# Altium PCB PCB2.PcbDoc (part 6 of 9) (continued)
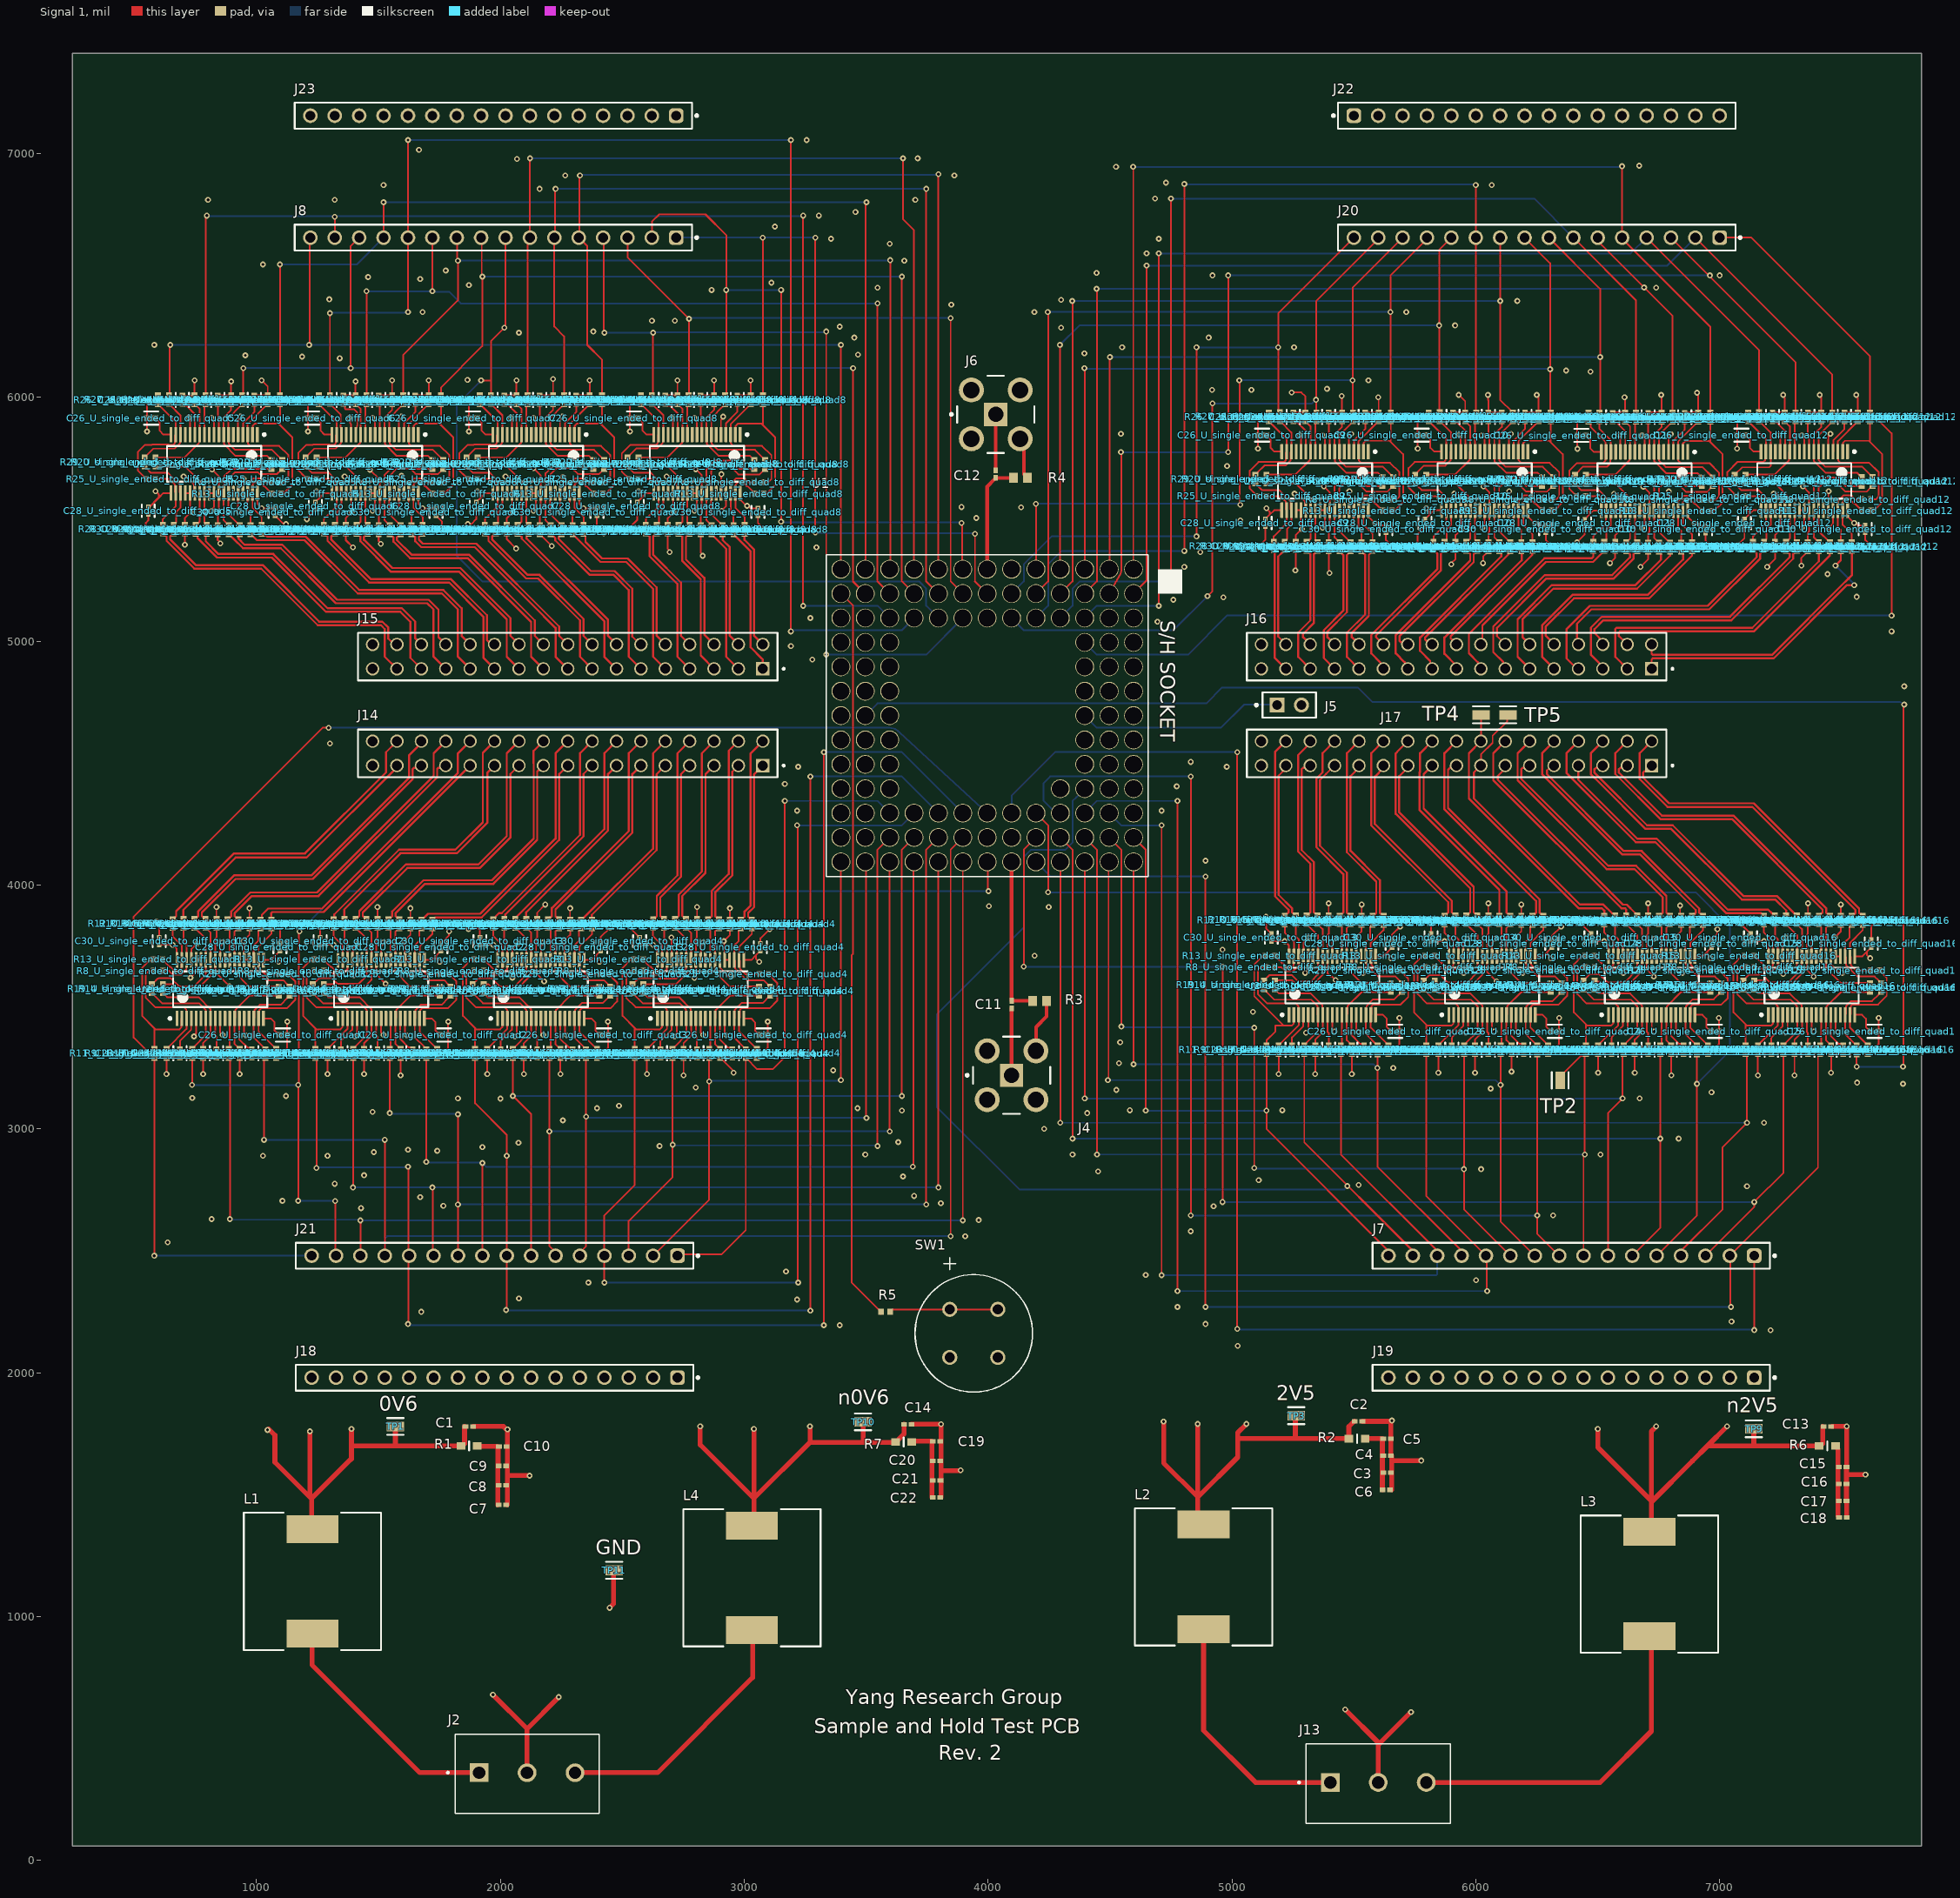
[diagram p0: Signal 1 view]
## Nets (pads, with @x,y where several pads share a name; then routed paths per layer and width w, separated by ;. In a path a pad name is that pad's centre, name@x,y a point inside that pad or via, vN(x,y) a via of type N, cw(c..) or ccw(c..) an arc to the next point about the centre after c; other vN are vias at no path point) (continued)
  Signal 1 w20: v1(6500,1770) 6500,1694.65 6720,1474.65 6720,1356.13 L3.2@6712,1348.13 ; 6720,1470 6888.47,1638.47 6950,1700 ; 6720,1484.49 6720,1760 v1(6740,1780) ; v1(7030,1780) 6950,1700 ; TP9.1@7140,1770 7140,1700 ; C13.2@7422.2,1780 7422.2,1708.66 7413.54,1700 7140,1700 ; 6950,1700 7140,1700
  other v1: 6896.68,5483.9 5586.68,5485 6241.68,5485 7551.68,5485 3011.68,5555
N12: R5.1 U1.N12 | length 3026.9
  Signal 1 w7: U1.N12@3396.68,5195 3446.68,5145 3446.68,3718.12 3441.5,3712.94 3441.5,2369.6 3552.4,2258.7 3553.58,2258.7 3561.1,2251.18 R5.1@3561.1,2241.19
N13: J8.16 R27_U_single_ended_to_diff_quad5.1 U1.N13 | length 4319.3
  Signal 1 w7: R27_U_single_ended_to_diff_quad5.1@641.68,6009.85 644.18,6012.35 644.18,6212.5 v1(646.68,6215) ; v1(1216.68,6215) 1219.18,6217.5 1219.18,6652.5 J8.16@1221.68,6655 ; U1.N13@3396.68,5295 v1(3396.68,6215)
  Signal 2 w7: v1(646.68,6215) v1(3396.68,6215)
NetC3_2: C3.2 C4.2 C5.2 C6.2 R2.1 | length 282.9
  Signal 1 w20: R2.1@5544.31,1729.99 5616.74,1729.99 5616.75,1660 5616.75,1590 5616.75,1521.1 C6.2@5617.85,1520
NetC7_2: C7.2 C8.2 C9.2 C10.2 R1.1 | length 326.5
  Signal 1 w20: R1.1@1905.91,1700 1907.91,1698 1991.1,1698 1991.1,1619.1 1990,1618 C7.2@1990,1458
NetC11_1: C11.1 J4.1 | length 274.6
  Signal 1 w14.78: J4.1@4096.68,3220 C11.1@4096.68,3494.65
NetC12_1: C12.1 J6.1 | length 229.6
  Signal 1 w14.78: C12.1@4031.68,5700.35 4031.68,5831.61 J6.1@4031.68,5930
NetC15_2: C15.2 C16.2 C17.2 C18.2 R6.1 | length 294
  Signal 1 w20: R6.1@7475.5,1695.14 7485.46,1685.18 7485.46,1614 7485.46,1411 C18.2@7489.48,1406.97
NetC19_2: C19.2 C20.2 C21.2 C22.2 R7.1 | length 304.6
  Signal 1 w20: R7.1@3694.81,1719 3769.46,1719 3769.46,1639 3769.46,1559 C22.2@3769.46,1489
NetC23_U_single_ended_to_diff_quad1_1: C23_U_single_ended_to_diff_quad1.1 U2_U_single_ended_to_diff_quad1.4 | length 145.3
  Signal 1 w7: C23_U_single_ended_to_diff_quad1.1@686.68,3326.87 686.68,3360.09 732.79,3406.2 732.79,3451.94 U2_U_single_ended_to_diff_quad1.4@733.57,3452.72
NetC23_U_single_ended_to_diff_quad2_1: C23_U_single_ended_to_diff_quad2.1 U2_U_single_ended_to_diff_quad2.4 | length 145.3
  Signal 1 w7: C23_U_single_ended_to_diff_quad2.1@1346.68,3326.87 1346.68,3360.09 1392.79,3406.2 1392.79,3451.94 U2_U_single_ended_to_diff_quad2.4@1393.57,3452.72
NetC23_U_single_ended_to_diff_quad3_1: C23_U_single_ended_to_diff_quad3.1 U2_U_single_ended_to_diff_quad3.4 | length 145.3
  Signal 1 w7: C23_U_single_ended_to_diff_quad3.1@2001.68,3326.87 2001.68,3360.09 2047.79,3406.2 2047.79,3451.94 U2_U_single_ended_to_diff_quad3.4@2048.57,3452.72
NetC23_U_single_ended_to_diff_quad4_1: C23_U_single_ended_to_diff_quad4.1 U2_U_single_ended_to_diff_quad4.4 | length 145.3
  Signal 1 w7: C23_U_single_ended_to_diff_quad4.1@2656.68,3326.87 2656.68,3360.09 2702.79,3406.2 2702.79,3451.94 U2_U_single_ended_to_diff_quad4.4@2703.57,3452.72
NetC23_U_single_ended_to_diff_quad5_1: C23_U_single_ended_to_diff_quad5.1 U2_U_single_ended_to_diff_quad5.4 | length 145.3
  Signal 1 w7: U2_U_single_ended_to_diff_quad5.4@944.79,5847.28 945.57,5848.06 945.57,5893.8 991.68,5939.91 C23_U_single_ended_to_diff_quad5.1@991.68,5973.13
NetC23_U_single_ended_to_diff_quad6_1: C23_U_single_ended_to_diff_quad6.1 U2_U_single_ended_to_diff_quad6.4 | length 145.3
  Signal 1 w7: U2_U_single_ended_to_diff_quad6.4@1604.79,5847.28 1605.57,5848.06 1605.57,5893.8 1651.68,5939.91 C23_U_single_ended_to_diff_quad6.1@1651.68,5973.13
NetC23_U_single_ended_to_diff_quad7_1: C23_U_single_ended_to_diff_quad7.1 U2_U_single_ended_to_diff_quad7.4 | length 145.3
  Signal 1 w7: U2_U_single_ended_to_diff_quad7.4@2264.79,5847.28 2265.57,5848.06 2265.57,5893.8 2311.68,5939.91 C23_U_single_ended_to_diff_quad7.1@2311.68,5973.13
NetC23_U_single_ended_to_diff_quad8_1: C23_U_single_ended_to_diff_quad8.1 U2_U_single_ended_to_diff_quad8.4 | length 145.3
  Signal 1 w7: U2_U_single_ended_to_diff_quad8.4@2924.79,5847.28 2925.57,5848.06 2925.57,5893.8 2971.68,5939.91 C23_U_single_ended_to_diff_quad8.1@2971.68,5973.13
NetC23_U_single_ended_to_diff_quad9_1: C23_U_single_ended_to_diff_quad9.1 U2_U_single_ended_to_diff_quad9.4 | length 145.3
  Signal 1 w7: U2_U_single_ended_to_diff_quad9.4@5499.79,5777.28 5500.57,5778.06 5500.57,5823.8 5546.68,5869.91 C23_U_single_ended_to_diff_quad9.1@5546.68,5903.13
NetC23_U_single_ended_to_diff_quad10_1: C23_U_single_ended_to_diff_quad10.1 U2_U_single_ended_to_diff_quad10.4 | length 145.3
  Signal 1 w7: U2_U_single_ended_to_diff_quad10.4@6154.79,5777.28 6155.57,5778.06 6155.57,5823.8 6201.68,5869.91 C23_U_single_ended_to_diff_quad10.1@6201.68,5903.13
NetC23_U_single_ended_to_diff_quad11_1: C23_U_single_ended_to_diff_quad11.1 U2_U_single_ended_to_diff_quad11.4 | length 145.3
  Signal 1 w7: U2_U_single_ended_to_diff_quad11.4@6809.79,5776.18 6810.57,5776.96 6810.57,5822.7 6856.68,5868.81 C23_U_single_ended_to_diff_quad11.1@6856.68,5902.03
NetC23_U_single_ended_to_diff_quad12_1: C23_U_single_ended_to_diff_quad12.1 U2_U_single_ended_to_diff_quad12.4 | length 145.3
  Signal 1 w7: U2_U_single_ended_to_diff_quad12.4@7464.79,5777.28 7465.57,5778.06 7465.57,5823.8 7511.68,5869.91 C23_U_single_ended_to_diff_quad12.1@7511.68,5903.13
NetC23_U_single_ended_to_diff_quad13_1: C23_U_single_ended_to_diff_quad13.1 U2_U_single_ended_to_diff_quad13.4 | length 145.3
  Signal 1 w7: C23_U_single_ended_to_diff_quad13.1@5246.68,3341.87 5246.68,3375.09 5292.79,3421.2 5292.79,3466.94 U2_U_single_ended_to_diff_quad13.4@5293.57,3467.72
NetC23_U_single_ended_to_diff_quad14_1: C23_U_single_ended_to_diff_quad14.1 U2_U_single_ended_to_diff_quad14.4 | length 145.3
  Signal 1 w7: C23_U_single_ended_to_diff_quad14.1@5901.68,3341.87 5901.68,3375.09 5947.79,3421.2 5947.79,3466.94 U2_U_single_ended_to_diff_quad14.4@5948.57,3467.72
NetC23_U_single_ended_to_diff_quad15_1: C23_U_single_ended_to_diff_quad15.1 U2_U_single_ended_to_diff_quad15.4 | length 145.3
  Signal 1 w7: C23_U_single_ended_to_diff_quad15.1@6556.68,3341.87 6556.68,3375.09 6602.79,3421.2 6602.79,3466.94 U2_U_single_ended_to_diff_quad15.4@6603.57,3467.72
NetC23_U_single_ended_to_diff_quad16_1: C23_U_single_ended_to_diff_quad16.1 U2_U_single_ended_to_diff_quad16.4 | length 145.3
  Signal 1 w7: C23_U_single_ended_to_diff_quad16.1@7211.68,3341.87 7211.68,3375.09 7257.79,3421.2 7257.79,3466.94 U2_U_single_ended_to_diff_quad16.4@7258.57,3467.72
NetC24_U_single_ended_to_diff_quad1_1: C24_U_single_ended_to_diff_quad1.1 U2_U_single_ended_to_diff_quad1.9 | length 127.8
  Signal 1 w7: U2_U_single_ended_to_diff_quad1.9@832,3452.72 832,3382.84 836.68,3378.15 C24_U_single_ended_to_diff_quad1.1@836.68,3326.87
NetC24_U_single_ended_to_diff_quad2_1: C24_U_single_ended_to_diff_quad2.1 U2_U_single_ended_to_diff_quad2.9 | length 127.8
  Signal 1 w7: U2_U_single_ended_to_diff_quad2.9@1492,3452.72 1492,3382.84 1496.68,3378.15 C24_U_single_ended_to_diff_quad2.1@1496.68,3326.87
NetC24_U_single_ended_to_diff_quad3_1: C24_U_single_ended_to_diff_quad3.1 U2_U_single_ended_to_diff_quad3.9 | length 127.8
  Signal 1 w7: U2_U_single_ended_to_diff_quad3.9@2147,3452.72 2147,3382.84 2151.68,3378.15 C24_U_single_ended_to_diff_quad3.1@2151.68,3326.87
NetC24_U_single_ended_to_diff_quad4_1: C24_U_single_ended_to_diff_quad4.1 U2_U_single_ended_to_diff_quad4.9 | length 127.8
  Signal 1 w7: U2_U_single_ended_to_diff_quad4.9@2802,3452.72 2802,3382.84 2806.68,3378.15 C24_U_single_ended_to_diff_quad4.1@2806.68,3326.87
NetC24_U_single_ended_to_diff_quad5_1: C24_U_single_ended_to_diff_quad5.1 U2_U_single_ended_to_diff_quad5.9 | length 127.8
  Signal 1 w7: C24_U_single_ended_to_diff_quad5.1@841.68,5973.13 841.68,5921.85 846.37,5917.16 U2_U_single_ended_to_diff_quad5.9@846.37,5847.28
NetC24_U_single_ended_to_diff_quad6_1: C24_U_single_ended_to_diff_quad6.1 U2_U_single_ended_to_diff_quad6.9 | length 127.8
  Signal 1 w7: C24_U_single_ended_to_diff_quad6.1@1501.68,5973.13 1506.37,5968.44 U2_U_single_ended_to_diff_quad6.9@1506.37,5847.28
NetC24_U_single_ended_to_diff_quad7_1: C24_U_single_ended_to_diff_quad7.1 U2_U_single_ended_to_diff_quad7.9 | length 127.8
  Signal 1 w7: C24_U_single_ended_to_diff_quad7.1@2161.68,5973.13 2161.68,5921.85 2166.37,5917.16 U2_U_single_ended_to_diff_quad7.9@2166.37,5847.28
NetC24_U_single_ended_to_diff_quad8_1: C24_U_single_ended_to_diff_quad8.1 U2_U_single_ended_to_diff_quad8.9 | length 127.8
  Signal 1 w7: C24_U_single_ended_to_diff_quad8.1@2821.68,5973.13 2821.68,5921.85 2826.37,5917.16 U2_U_single_ended_to_diff_quad8.9@2826.37,5847.28
NetC24_U_single_ended_to_diff_quad9_1: C24_U_single_ended_to_diff_quad9.1 U2_U_single_ended_to_diff_quad9.9 | length 127.8
  Signal 1 w7: C24_U_single_ended_to_diff_quad9.1@5396.68,5903.13 5396.68,5851.85 5401.37,5847.16 U2_U_single_ended_to_diff_quad9.9@5401.37,5777.28
NetC24_U_single_ended_to_diff_quad10_1: C24_U_single_ended_to_diff_quad10.1 U2_U_single_ended_to_diff_quad10.9 | length 127.8
  Signal 1 w7: C24_U_single_ended_to_diff_quad10.1@6051.68,5903.13 6051.68,5851.85 6056.37,5847.16 U2_U_single_ended_to_diff_quad10.9@6056.37,5777.28
NetC24_U_single_ended_to_diff_quad11_1: C24_U_single_ended_to_diff_quad11.1 U2_U_single_ended_to_diff_quad11.9 | length 127.8
  Signal 1 w7: C24_U_single_ended_to_diff_quad11.1@6706.68,5902.03 6706.68,5850.75 6711.37,5846.06 U2_U_single_ended_to_diff_quad11.9@6711.37,5776.18
NetC24_U_single_ended_to_diff_quad12_1: C24_U_single_ended_to_diff_quad12.1 U2_U_single_ended_to_diff_quad12.9 | length 127.8
  Signal 1 w7: C24_U_single_ended_to_diff_quad12.1@7361.68,5903.13 7361.68,5851.85 7366.37,5847.16 U2_U_single_ended_to_diff_quad12.9@7366.37,5777.28
NetC24_U_single_ended_to_diff_quad13_1: C24_U_single_ended_to_diff_quad13.1 U2_U_single_ended_to_diff_quad13.9 | length 127.8
  Signal 1 w7: U2_U_single_ended_to_diff_quad13.9@5392,3467.72 5392,3397.84 5396.68,3393.15 C24_U_single_ended_to_diff_quad13.1@5396.68,3341.87
NetC24_U_single_ended_to_diff_quad14_1: C24_U_single_ended_to_diff_quad14.1 U2_U_single_ended_to_diff_quad14.9 | length 127.8
  Signal 1 w7: U2_U_single_ended_to_diff_quad14.9@6047,3467.72 6047,3397.84 6051.68,3393.15 C24_U_single_ended_to_diff_quad14.1@6051.68,3341.87
NetC24_U_single_ended_to_diff_quad15_1: C24_U_single_ended_to_diff_quad15.1 U2_U_single_ended_to_diff_quad15.9 | length 127.8
  Signal 1 w7: U2_U_single_ended_to_diff_quad15.9@6702,3467.72 6702,3397.84 6706.68,3393.15 C24_U_single_ended_to_diff_quad15.1@6706.68,3341.87
NetC24_U_single_ended_to_diff_quad16_1: C24_U_single_ended_to_diff_quad16.1 U2_U_single_ended_to_diff_quad16.9 | length 127.8
  Signal 1 w7: U2_U_single_ended_to_diff_quad16.9@7357,3467.72 7357,3397.84 7361.68,3393.15 C24_U_single_ended_to_diff_quad16.1@7361.68,3341.87
NetC25_U_single_ended_to_diff_quad1_1: C25_U_single_ended_to_diff_quad1.1 U2_U_single_ended_to_diff_quad1.14 | length 154
  Signal 1 w7: U2_U_single_ended_to_diff_quad1.14@930.42,3452.72 930.42,3366.58 947.58,3349.42 947.82,3349.42 953.39,3343.86 953.39,3343.61 964.01,3332.99 975.57,3332.99 C25_U_single_ended_to_diff_quad1.1@981.68,3326.87
NetC25_U_single_ended_to_diff_quad2_1: C25_U_single_ended_to_diff_quad2.1 U2_U_single_ended_to_diff_quad2.14 | length 152.7
  Signal 1 w7: U2_U_single_ended_to_diff_quad2.14@1590.42,3452.72 1590.42,3368.58 1624.79,3334.21 1634.34,3334.21 C25_U_single_ended_to_diff_quad2.1@1641.68,3326.87
NetC25_U_single_ended_to_diff_quad3_1: C25_U_single_ended_to_diff_quad3.1 U2_U_single_ended_to_diff_quad3.14 | length 152.1
  Signal 1 w7: U2_U_single_ended_to_diff_quad3.14@2245.42,3452.72 2245.42,3369.58 2280.29,3334.71 2288.91,3334.71 C25_U_single_ended_to_diff_quad3.1@2296.68,3326.87 C25_U_single_ended_to_diff_quad3.1@2296.68,3326.87
NetC25_U_single_ended_to_diff_quad4_1: C25_U_single_ended_to_diff_quad4.1 U2_U_single_ended_to_diff_quad4.14 | length 153.3
  Signal 1 w7: U2_U_single_ended_to_diff_quad4.14@2900.42,3452.72 2900.42,3367.58 2934.29,3333.71 2944.84,3333.71 C25_U_single_ended_to_diff_quad4.1@2951.68,3326.87
NetC25_U_single_ended_to_diff_quad5_1: C25_U_single_ended_to_diff_quad5.1 U2_U_single_ended_to_diff_quad5.14 | length 152.5
  Signal 1 w7: C25_U_single_ended_to_diff_quad5.1@696.68,5973.13 704.2,5965.61 713.39,5965.61 747.94,5931.06 U2_U_single_ended_to_diff_quad5.14@747.94,5847.28
NetC25_U_single_ended_to_diff_quad6_1: C25_U_single_ended_to_diff_quad6.1 U2_U_single_ended_to_diff_quad6.14 | length 172.5
  Signal 1 w7: C25_U_single_ended_to_diff_quad6.1@1356.68,5973.13 1362.47,5967.34 1362.47,5954.68 1366.57,5950.58 1401.42,5950.58 1414,5938 1414,5883.35 1412.22,5881.57 1412.22,5877.15 1407.94,5872.87 U2_U_single_ended_to_diff_quad6.14@1407.94,5847.28
NetC25_U_single_ended_to_diff_quad7_1: C25_U_single_ended_to_diff_quad7.1 U2_U_single_ended_to_diff_quad7.14 | length 153.7
  Signal 1 w7: C25_U_single_ended_to_diff_quad7.1@2016.68,5973.13 2023.04,5966.77 2034.35,5966.77 2067.94,5933.18 U2_U_single_ended_to_diff_quad7.14@2067.94,5847.28
NetC25_U_single_ended_to_diff_quad8_1: C25_U_single_ended_to_diff_quad8.1 U2_U_single_ended_to_diff_quad8.14 | length 153.7
  Signal 1 w7: C25_U_single_ended_to_diff_quad8.1@2676.68,5973.13 2683.81,5966 2695.12,5966 2727.94,5933.18 U2_U_single_ended_to_diff_quad8.14@2727.94,5847.28
NetC25_U_single_ended_to_diff_quad9_1: C25_U_single_ended_to_diff_quad9.1 U2_U_single_ended_to_diff_quad9.14 | length 153
  Signal 1 w7: C25_U_single_ended_to_diff_quad9.1@5251.68,5903.13 5258.7,5896.11 5268.89,5896.11 5302.94,5862.06 U2_U_single_ended_to_diff_quad9.14@5302.94,5777.28
NetC25_U_single_ended_to_diff_quad10_1: C25_U_single_ended_to_diff_quad10.1 U2_U_single_ended_to_diff_quad10.14 | length 153
  Signal 1 w7: C25_U_single_ended_to_diff_quad10.1@5906.68,5903.13 5914.2,5895.61 5924.39,5895.61 5957.94,5862.06 U2_U_single_ended_to_diff_quad10.14@5957.94,5777.28
NetC25_U_single_ended_to_diff_quad11_1: C25_U_single_ended_to_diff_quad11.1 U2_U_single_ended_to_diff_quad11.14 | length 153.1
  Signal 1 w7: C25_U_single_ended_to_diff_quad11.1@6561.68,5902.03 6568.65,5895.06 6578.94,5895.06 6612.94,5861.06 U2_U_single_ended_to_diff_quad11.14@6612.94,5776.18
NetC25_U_single_ended_to_diff_quad12_1: C25_U_single_ended_to_diff_quad12.1 U2_U_single_ended_to_diff_quad12.14 | length 153.6
  Signal 1 w7: C25_U_single_ended_to_diff_quad12.1@7216.68,5903.13 7223.16,5896.65 7234.35,5896.65 7267.94,5863.06 U2_U_single_ended_to_diff_quad12.14@7267.94,5777.28
NetC25_U_single_ended_to_diff_quad13_1: C25_U_single_ended_to_diff_quad13.1 U2_U_single_ended_to_diff_quad13.14 | length 152.1
  Signal 1 w7: U2_U_single_ended_to_diff_quad13.14@5490.42,3467.72 5490.42,3384.58 5525.29,3349.71 5533.91,3349.71 C25_U_single_ended_to_diff_quad13.1@5541.68,3341.87 C25_U_single_ended_to_diff_quad13.1@5541.68,3341.87
NetC25_U_single_ended_to_diff_quad14_1: C25_U_single_ended_to_diff_quad14.1 U2_U_single_ended_to_diff_quad14.14 | length 153.3
  Signal 1 w7: U2_U_single_ended_to_diff_quad14.14@6145.42,3467.72 6145.42,3382.58 6179.29,3348.71 6189.84,3348.71 C25_U_single_ended_to_diff_quad14.1@6196.68,3341.87
NetC25_U_single_ended_to_diff_quad15_1: C25_U_single_ended_to_diff_quad15.1 U2_U_single_ended_to_diff_quad15.14 | length 153.3
  Signal 1 w7: U2_U_single_ended_to_diff_quad15.14@6800.42,3467.72 6800.42,3382.58 6834.29,3348.71 6844.84,3348.71 C25_U_single_ended_to_diff_quad15.1@6851.68,3341.87
NetC25_U_single_ended_to_diff_quad16_1: C25_U_single_ended_to_diff_quad16.1 U2_U_single_ended_to_diff_quad16.14 | length 153.3
  Signal 1 w7: U2_U_single_ended_to_diff_quad16.14@7455.42,3467.72 7455.42,3382.58 7489.29,3348.71 7499.84,3348.71 C25_U_single_ended_to_diff_quad16.1@7506.68,3341.87
NetC26_U_single_ended_to_diff_quad1_1: C26_U_single_ended_to_diff_quad1.1 U2_U_single_ended_to_diff_quad1.19 | length 112.4
  Signal 1 w7: U2_U_single_ended_to_diff_quad1.19@1028.85,3452.72 1058.97,3452.72 1074.81,3436.87 1074.81,3403.13 1083.82,3394.11 1083.82,3393.27 1092.09,3385 C26_U_single_ended_to_diff_quad1.1@1092.94,3385
NetC26_U_single_ended_to_diff_quad2_1: C26_U_single_ended_to_diff_quad2.1 U2_U_single_ended_to_diff_quad2.19 | length 112.4
  Signal 1 w7: U2_U_single_ended_to_diff_quad2.19@1688.85,3452.72 1718.97,3452.72 1734.81,3436.87 1734.81,3403.13 1743.82,3394.11 1743.82,3393.27 1752.09,3385 C26_U_single_ended_to_diff_quad2.1@1752.94,3385
NetC26_U_single_ended_to_diff_quad3_1: C26_U_single_ended_to_diff_quad3.1 U2_U_single_ended_to_diff_quad3.19 | length 112.4
  Signal 1 w7: U2_U_single_ended_to_diff_quad3.19@2343.85,3452.72 2373.97,3452.72 2389.81,3436.87 2389.81,3403.13 2398.82,3394.11 2398.82,3393.27 2407.09,3385 C26_U_single_ended_to_diff_quad3.1@2407.94,3385
NetC26_U_single_ended_to_diff_quad4_1: C26_U_single_ended_to_diff_quad4.1 U2_U_single_ended_to_diff_quad4.19 | length 112.4
  Signal 1 w7: U2_U_single_ended_to_diff_quad4.19@2998.85,3452.72 3028.97,3452.72 3044.81,3436.87 3044.81,3403.13 3053.82,3394.11 3053.82,3393.27 3062.09,3385 C26_U_single_ended_to_diff_quad4.1@3062.94,3385
NetC26_U_single_ended_to_diff_quad5_1: C26_U_single_ended_to_diff_quad5.1 U2_U_single_ended_to_diff_quad5.19 | length 112.4
  Signal 1 w7: C26_U_single_ended_to_diff_quad5.1@585.43,5915 586.27,5915 594.54,5906.73 594.54,5905.89 603.56,5896.87 603.56,5863.13 619.4,5847.28 U2_U_single_ended_to_diff_quad5.19@649.52,5847.28
NetC26_U_single_ended_to_diff_quad6_1: C26_U_single_ended_to_diff_quad6.1 U2_U_single_ended_to_diff_quad6.19 | length 112.4
  Signal 1 w7: C26_U_single_ended_to_diff_quad6.1@1245.43,5915 1246.27,5915 1254.54,5906.73 1254.54,5905.89 1263.56,5896.87 1263.56,5863.13 1279.4,5847.28 U2_U_single_ended_to_diff_quad6.19@1309.52,5847.28
NetC26_U_single_ended_to_diff_quad7_1: C26_U_single_ended_to_diff_quad7.1 U2_U_single_ended_to_diff_quad7.19 | length 112.4
  Signal 1 w7: C26_U_single_ended_to_diff_quad7.1@1905.43,5915 1906.27,5915 1914.54,5906.73 1914.54,5905.89 1923.56,5896.87 1923.56,5863.13 1939.4,5847.28 U2_U_single_ended_to_diff_quad7.19@1969.52,5847.28
NetC26_U_single_ended_to_diff_quad8_1: C26_U_single_ended_to_diff_quad8.1 U2_U_single_ended_to_diff_quad8.19 | length 112.4
  Signal 1 w7: C26_U_single_ended_to_diff_quad8.1@2565.43,5915 2566.27,5915 2574.54,5906.73 2574.54,5905.89 2583.56,5896.87 2583.56,5863.13 2599.4,5847.28 U2_U_single_ended_to_diff_quad8.19@2629.52,5847.28
NetC26_U_single_ended_to_diff_quad9_1: C26_U_single_ended_to_diff_quad9.1 U2_U_single_ended_to_diff_quad9.19 | length 112.4
  Signal 1 w7: C26_U_single_ended_to_diff_quad9.1@5140.43,5845 5141.27,5845 5149.54,5836.73 5149.54,5835.89 5158.56,5826.87 5158.56,5793.13 5174.4,5777.28 U2_U_single_ended_to_diff_quad9.19@5204.52,5777.28
NetC26_U_single_ended_to_diff_quad10_1: C26_U_single_ended_to_diff_quad10.1 U2_U_single_ended_to_diff_quad10.19 | length 112.4
  Signal 1 w7: C26_U_single_ended_to_diff_quad10.1@5795.43,5845 5796.27,5845 5804.54,5836.73 5804.54,5835.89 5813.56,5826.87 5813.56,5793.13 5829.4,5777.28 U2_U_single_ended_to_diff_quad10.19@5859.52,5777.28
NetC26_U_single_ended_to_diff_quad11_1: C26_U_single_ended_to_diff_quad11.1 U2_U_single_ended_to_diff_quad11.19 | length 112.4
  Signal 1 w7: C26_U_single_ended_to_diff_quad11.1@6450.43,5843.9 6451.27,5843.9 6459.54,5835.63 6459.54,5834.78 6468.56,5825.77 6468.56,5792.03 6484.4,5776.18 U2_U_single_ended_to_diff_quad11.19@6514.52,5776.18
NetC26_U_single_ended_to_diff_quad12_1: C26_U_single_ended_to_diff_quad12.1 U2_U_single_ended_to_diff_quad12.19 | length 112.4
  Signal 1 w7: C26_U_single_ended_to_diff_quad12.1@7105.43,5845 7106.27,5845 7114.54,5836.73 7114.54,5835.89 7123.56,5826.87 7123.56,5793.13 7139.4,5777.28 U2_U_single_ended_to_diff_quad12.19@7169.52,5777.28
NetC26_U_single_ended_to_diff_quad13_1: C26_U_single_ended_to_diff_quad13.1 U2_U_single_ended_to_diff_quad13.19 | length 112.4
  Signal 1 w7: U2_U_single_ended_to_diff_quad13.19@5588.85,3467.72 5618.97,3467.72 5634.81,3451.87 5634.81,3418.13 5643.82,3409.11 5643.82,3408.27 5652.09,3400 C26_U_single_ended_to_diff_quad13.1@5652.94,3400
NetC26_U_single_ended_to_diff_quad14_1: C26_U_single_ended_to_diff_quad14.1 U2_U_single_ended_to_diff_quad14.19 | length 112.4
  Signal 1 w7: U2_U_single_ended_to_diff_quad14.19@6243.85,3467.72 6273.97,3467.72 6289.81,3451.87 6289.81,3418.13 6298.82,3409.11 6298.82,3408.27 6307.09,3400 C26_U_single_ended_to_diff_quad14.1@6307.94,3400
NetC26_U_single_ended_to_diff_quad15_1: C26_U_single_ended_to_diff_quad15.1 U2_U_single_ended_to_diff_quad15.19 | length 112.4
  Signal 1 w7: U2_U_single_ended_to_diff_quad15.19@6898.85,3467.72 6928.97,3467.72 6944.81,3451.87 6944.81,3418.13 6953.82,3409.11 6953.82,3408.27 6962.09,3400 C26_U_single_ended_to_diff_quad15.1@6962.94,3400
NetC26_U_single_ended_to_diff_quad16_1: C26_U_single_ended_to_diff_quad16.1 U2_U_single_ended_to_diff_quad16.19 | length 112.4
  Signal 1 w7: U2_U_single_ended_to_diff_quad16.19@7553.85,3467.72 7583.97,3467.72 7599.81,3451.87 7599.81,3418.13 7608.82,3409.11 7608.82,3408.27 7617.09,3400 C26_U_single_ended_to_diff_quad16.1@7617.94,3400
NetJ5_1: J5.1 U1.C7 | length 849.2
  Signal 2 w7: U1.C7@4396.68,4695 4446.68,4645 4955,4645 5050,4740 5183,4740 J5.1@5185,4738
NetR5_2: R5.2 SW1.1 SW1.2 | length 445.9
  Signal 1 w7: R5.2@3598.9,2250 3598.9,2251.18 3606.42,2258.7 3841.85,2258.7 SW1.1@3843.15,2260 SW1.2@4040,2260
NetR8_U_single_ended_to_diff_quad1_1: R8_U_single_ended_to_diff_quad1.1 R9_U_single_ended_to_diff_quad1.2 U2_U_single_ended_to_diff_quad1.3 | length 517.5
  Signal 1 w7: R8_U_single_ended_to_diff_quad1.1@578.89,3648.23 558.86,3648.23 546.48,3635.84 546.48,3537.49 584.97,3499 702.56,3499 713.11,3488.46 713.11,3453.5 U2_U_single_ended_to_diff_quad1.3@713.89,3452.72 713.89,3409.92 632.86,3328.9 R9_U_single_ended_to_diff_quad1.2@631.68,3328.9
NetR8_U_single_ended_to_diff_quad1_2: R8_U_single_ended_to_diff_quad1.2 R10_U_single_ended_to_diff_quad1.2 U2_U_single_ended_to_diff_quad1.36 | length 287.1
  Signal 1 w7: R8_U_single_ended_to_diff_quad1.2@616.68,3648.23 641.89,3648.23 657.74,3632.38 691.29,3632.38 713.11,3654.19 713.11,3664.38 713.89,3665.16 713.89,3762.52 701.68,3774.72 R10_U_single_ended_to_diff_quad1.2@701.68,3823.9
NetR8_U_single_ended_to_diff_quad2_1: R8_U_single_ended_to_diff_quad2.1 R9_U_single_ended_to_diff_quad2.2 U2_U_single_ended_to_diff_quad2.3 | length 517.5
  Signal 1 w7: R8_U_single_ended_to_diff_quad2.1@1238.89,3648.23 1218.86,3648.23 1206.48,3635.84 1206.48,3537.49 1244.97,3499 1362.56,3499 1373.11,3488.46 1373.11,3453.5 U2_U_single_ended_to_diff_quad2.3@1373.89,3452.72 1373.89,3409.92 1292.86,3328.9 R9_U_single_ended_to_diff_quad2.2@1291.68,3328.9
NetR8_U_single_ended_to_diff_quad2_2: R8_U_single_ended_to_diff_quad2.2 R10_U_single_ended_to_diff_quad2.2 U2_U_single_ended_to_diff_quad2.36 | length 287.1
  Signal 1 w7: R8_U_single_ended_to_diff_quad2.2@1276.68,3648.23 1301.89,3648.23 1317.74,3632.38 1351.29,3632.38 1373.11,3654.19 1373.11,3664.38 1373.89,3665.16 1373.89,3762.52 1361.68,3774.72 R10_U_single_ended_to_diff_quad2.2@1361.68,3823.9
NetR8_U_single_ended_to_diff_quad3_1: R8_U_single_ended_to_diff_quad3.1 R9_U_single_ended_to_diff_quad3.2 U2_U_single_ended_to_diff_quad3.3 | length 517.5
  Signal 1 w7: R8_U_single_ended_to_diff_quad3.1@1893.89,3648.23 1873.86,3648.23 1861.48,3635.84 1861.48,3537.49 1899.97,3499 2017.56,3499 2028.11,3488.46 2028.11,3453.5 U2_U_single_ended_to_diff_quad3.3@2028.89,3452.72 2028.89,3409.92 1947.86,3328.9 R9_U_single_ended_to_diff_quad3.2@1946.68,3328.9
NetR8_U_single_ended_to_diff_quad3_2: R8_U_single_ended_to_diff_quad3.2 R10_U_single_ended_to_diff_quad3.2 U2_U_single_ended_to_diff_quad3.36 | length 287.1
  Signal 1 w7: R8_U_single_ended_to_diff_quad3.2@1931.68,3648.23 1956.89,3648.23 1972.74,3632.38 2006.29,3632.38 2028.11,3654.19 2028.11,3664.38 2028.89,3665.16 2028.89,3762.52 2016.68,3774.72 R10_U_single_ended_to_diff_quad3.2@2016.68,3823.9
NetR8_U_single_ended_to_diff_quad4_1: R8_U_single_ended_to_diff_quad4.1 R9_U_single_ended_to_diff_quad4.2 U2_U_single_ended_to_diff_quad4.3 | length 517.5
  Signal 1 w7: R8_U_single_ended_to_diff_quad4.1@2548.89,3648.23 2528.86,3648.23 2516.48,3635.84 2516.48,3537.49 2554.97,3499 2672.56,3499 2683.11,3488.46 2683.11,3453.5 U2_U_single_ended_to_diff_quad4.3@2683.89,3452.72 2683.89,3409.92 2602.86,3328.9 R9_U_single_ended_to_diff_quad4.2@2601.68,3328.9
NetR8_U_single_ended_to_diff_quad4_2: R8_U_single_ended_to_diff_quad4.2 R10_U_single_ended_to_diff_quad4.2 U2_U_single_ended_to_diff_quad4.36 | length 287.1
  Signal 1 w7: R8_U_single_ended_to_diff_quad4.2@2586.68,3648.23 2611.89,3648.23 2627.74,3632.38 2661.29,3632.38 2683.11,3654.19 2683.11,3664.38 2683.89,3665.16 2683.89,3762.52 2671.68,3774.72 R10_U_single_ended_to_diff_quad4.2@2671.68,3823.9
NetR8_U_single_ended_to_diff_quad5_1: R8_U_single_ended_to_diff_quad5.1 R9_U_single_ended_to_diff_quad5.2 U2_U_single_ended_to_diff_quad5.3 | length 517.5
  Signal 1 w7: R9_U_single_ended_to_diff_quad5.2@1046.68,5971.1 1045.5,5971.1 964.48,5890.08 U2_U_single_ended_to_diff_quad5.3@964.48,5847.28 965.26,5846.5 965.26,5811.54 975.8,5801 1093.4,5801 1131.89,5762.51 1131.89,5664.16 1119.5,5651.77 R8_U_single_ended_to_diff_quad5.1@1099.48,5651.77
NetR8_U_single_ended_to_diff_quad5_2: R8_U_single_ended_to_diff_quad5.2 R10_U_single_ended_to_diff_quad5.2 U2_U_single_ended_to_diff_quad5.36 | length 287.1
  Signal 1 w7: R10_U_single_ended_to_diff_quad5.2@976.68,5476.1 976.68,5525.28 964.48,5537.48 964.48,5634.84 965.26,5635.62 965.26,5645.81 987.07,5667.62 1020.62,5667.62 1036.47,5651.77 R8_U_single_ended_to_diff_quad5.2@1061.68,5651.77